# KiCad board srvant.kicad_pcb
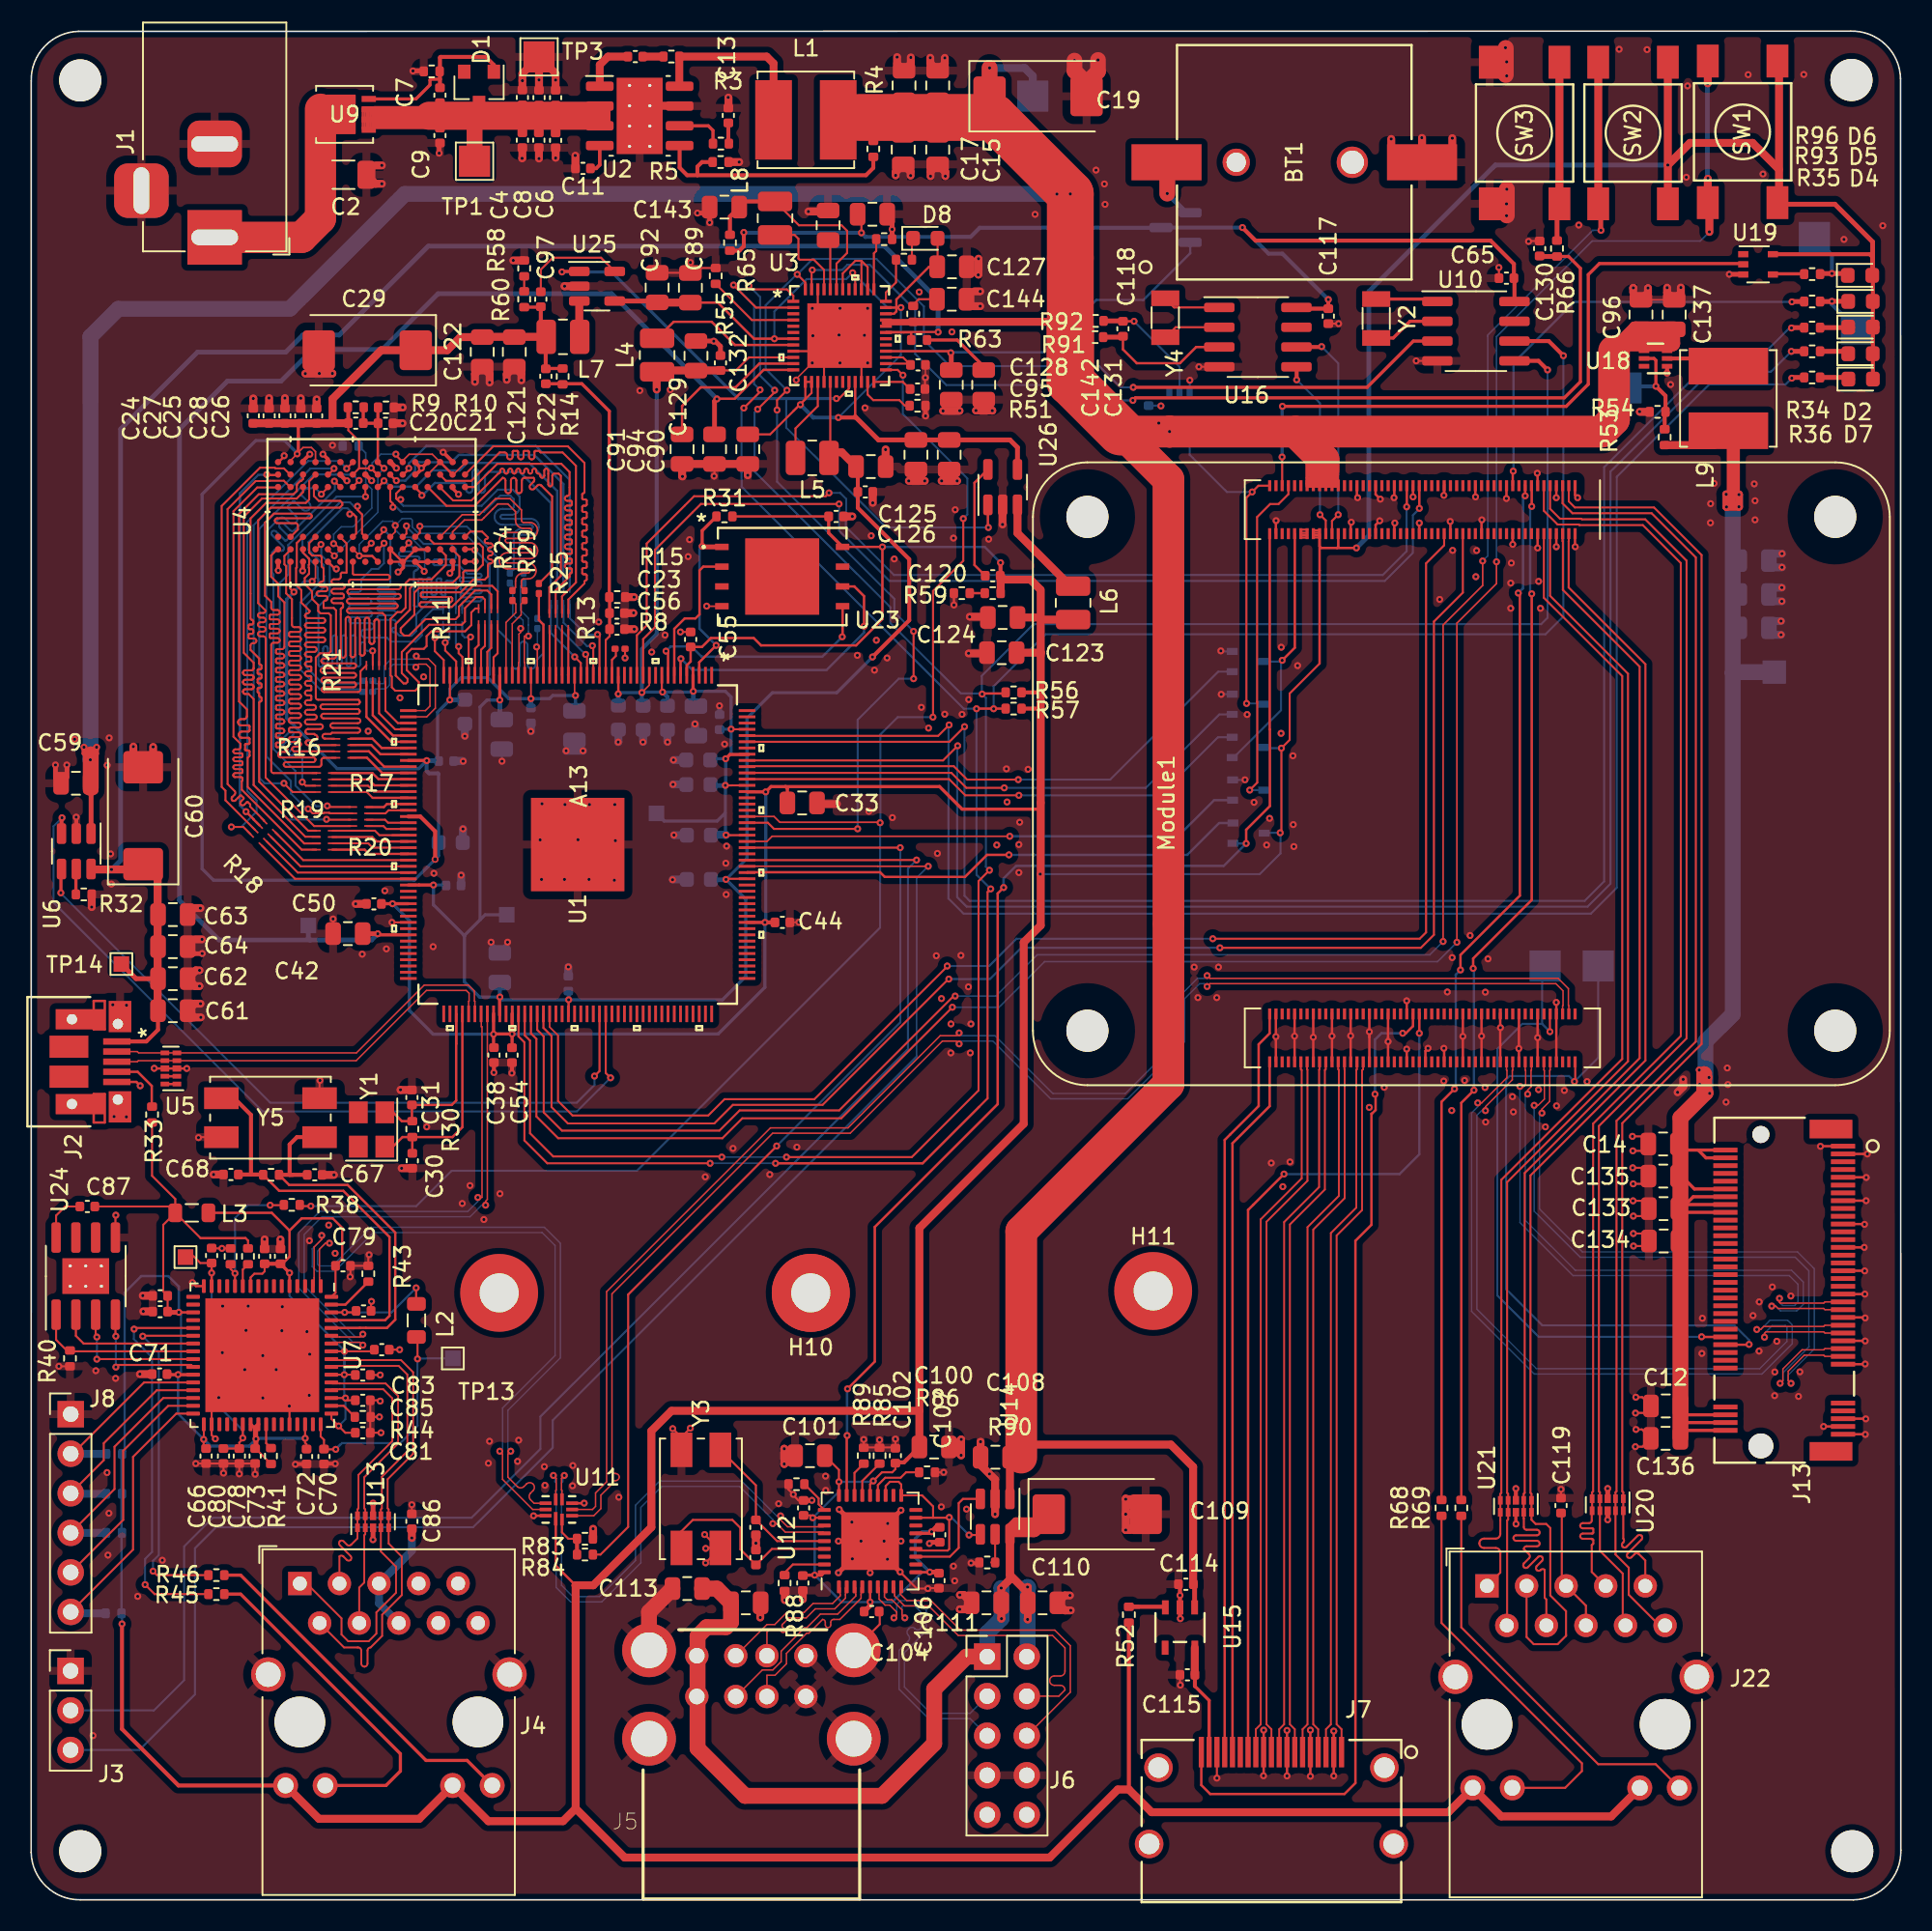
[diagram p0: board, top side]
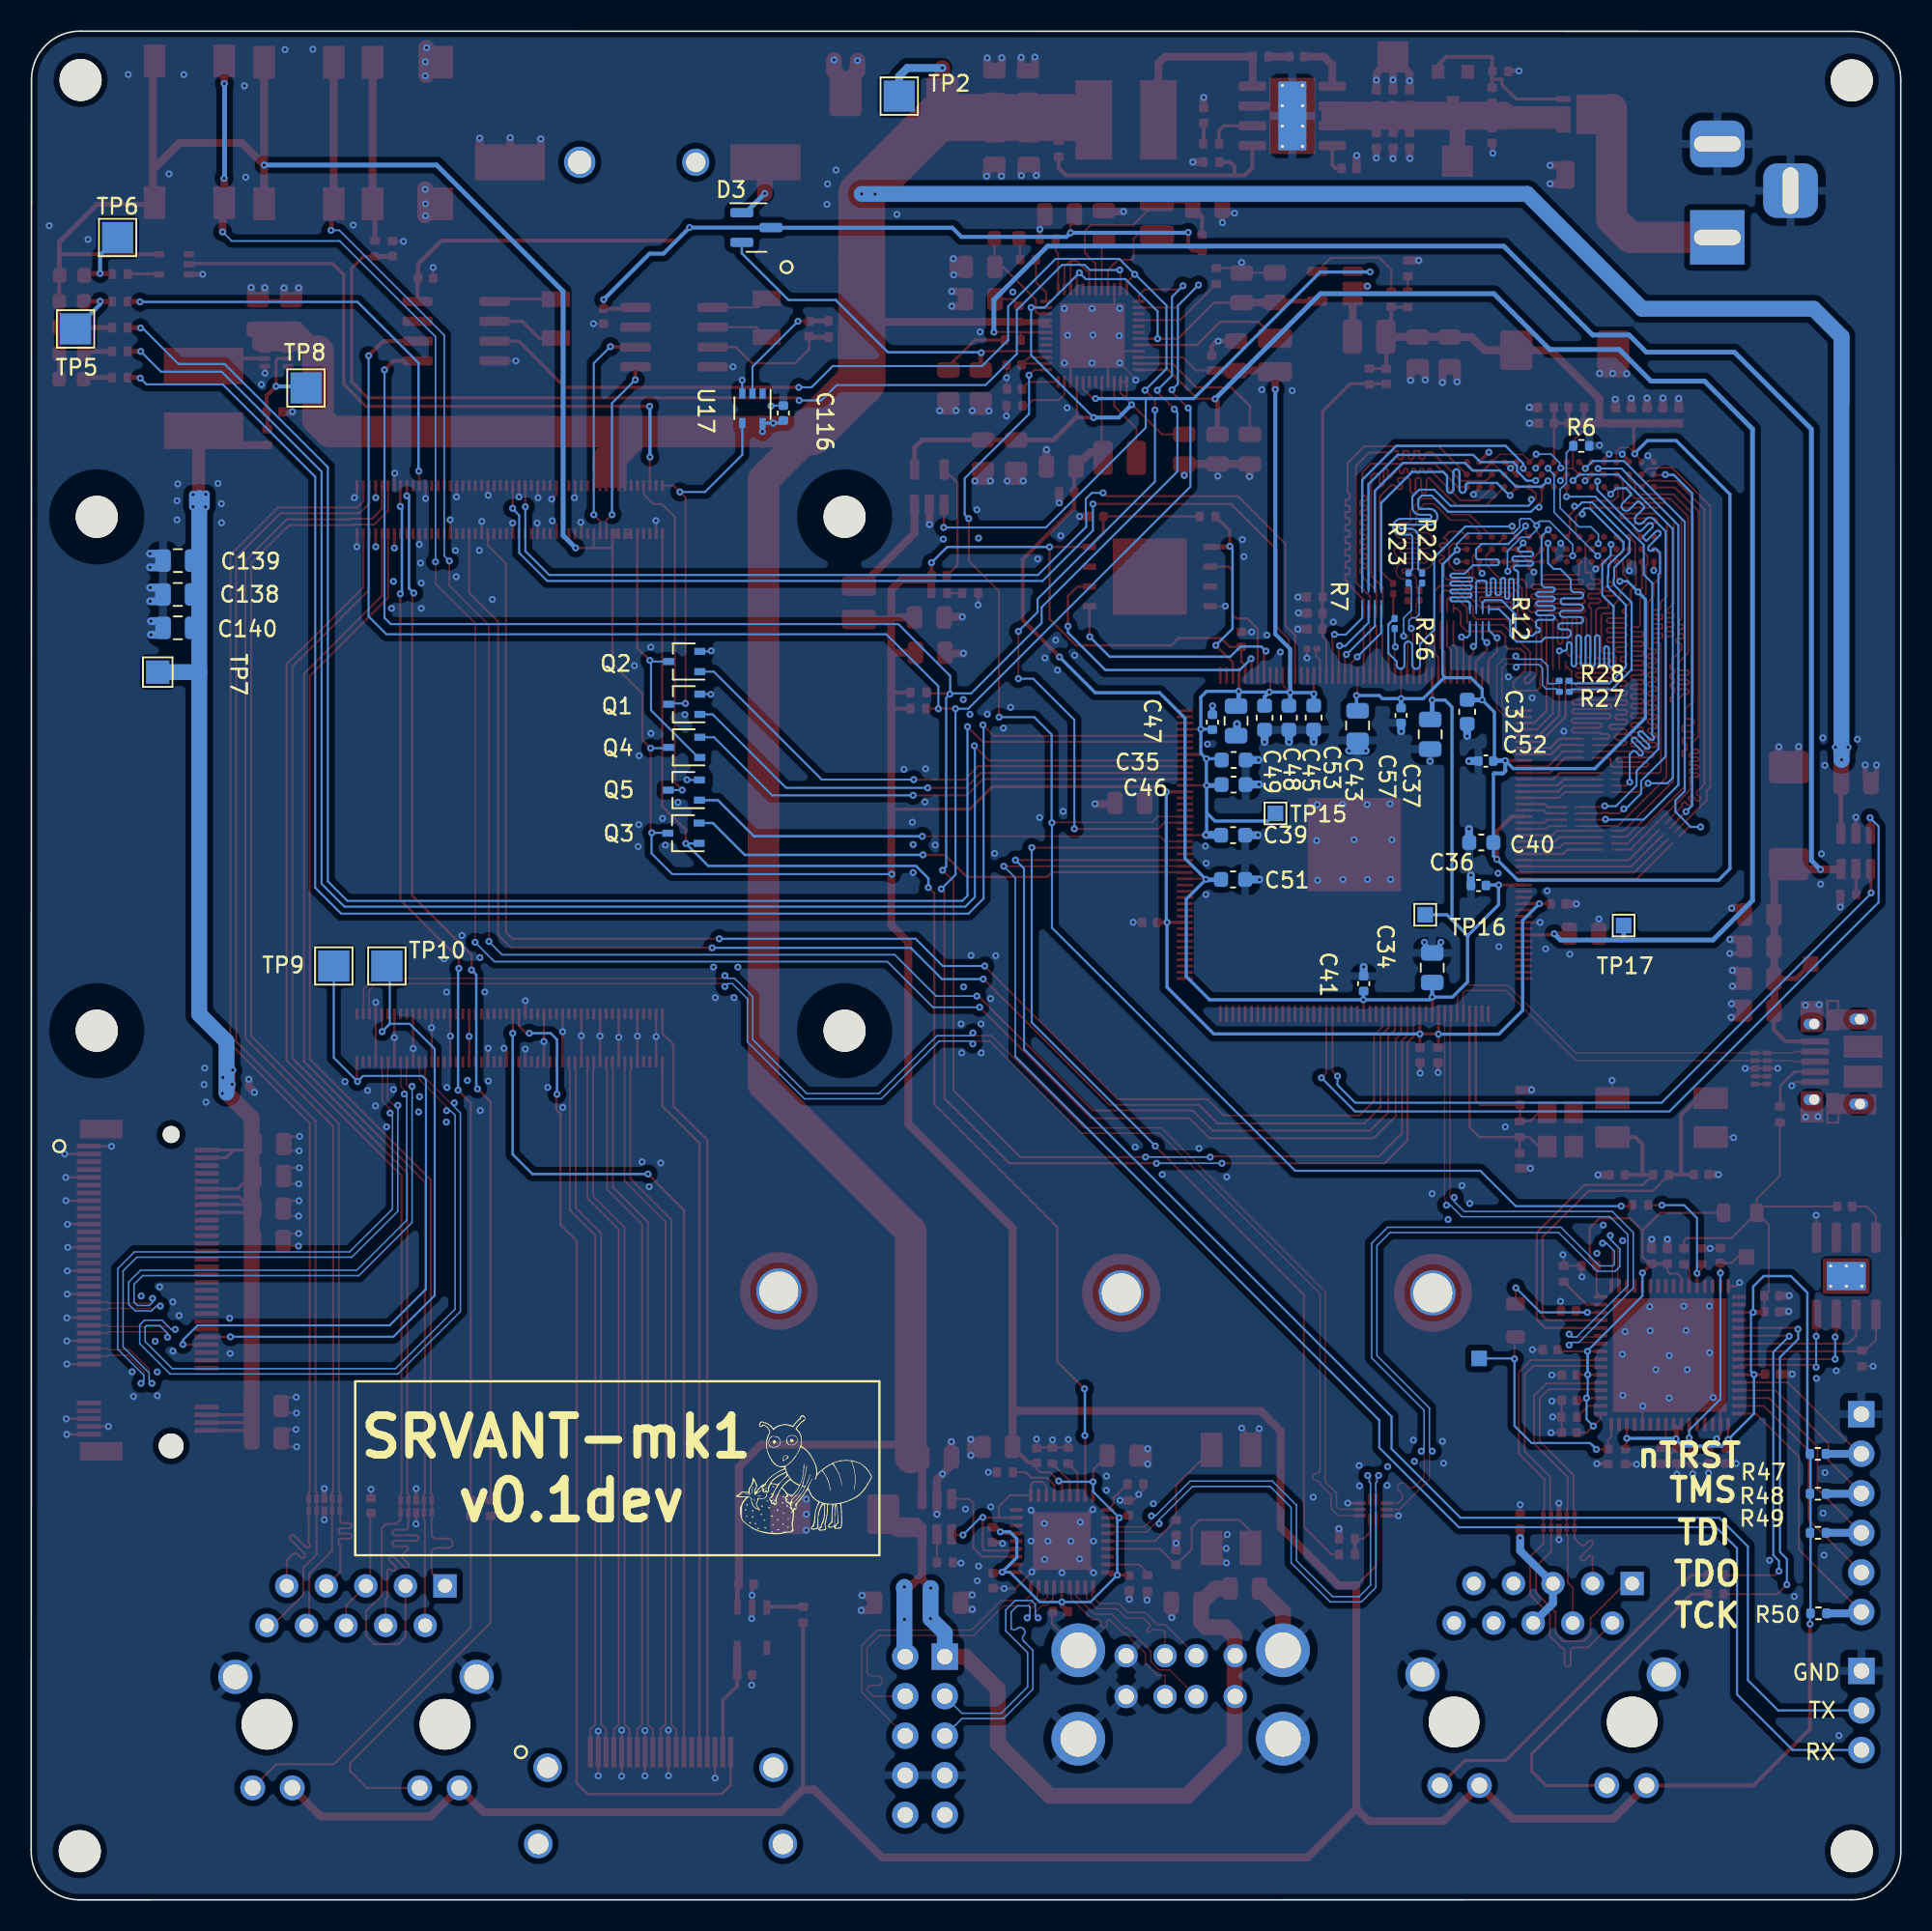
[diagram p1: board, bottom side, seen from below]

Outline 120.01 x 120 mm; copper layers: Top, In1.Cu (plane), In2.Cu (plane), Bottom. Coordinates in mm from the lower left corner of the outline.
Outline path: 0.01,116.8 0,3.04 arc(0.97,0.86) 3.19,0.01 116.97,0 arc(119.15,0.97) 120.01,3.19 119.99,116.97 arc(119.02,119.15) 116.79,120 3.04,119.99 arc(0.86,119.02) 0.01,116.8
Stack: Top 0.035mm / dielectric 0.1mm FR4 er 4.5 / In1.Cu 0.0175mm / dielectric 1.265mm FR4 er 4.5 / In2.Cu 0.0175mm / dielectric 0.1mm FR4 er 4.5 / Bottom 0.035mm

## Placement (name value [footprint] x y rotation side)
BT1  Battery_Cell  [battery-S8411-45R]  81.08 111.58 90 top
C1  10u 35v  [C_0402_1005Metric]  32.6 115.73 90 top
C2  100n 100v  [C_1206_3216Metric]  20.04 110.78 0 top
C3  10u 35v  [C_0402_1005Metric]  33.66 115.73 90 top
C4  10u 35v  [C_0402_1005Metric]  31.53 113 270 top
C5  10u 35v  [C_0402_1005Metric]  31.53 115.75 90 top
C6  10u 35v  [C_0402_1005Metric]  33.66 112.99 270 top
C7  100n  [C_0402_1005Metric]  26.24 115.89 270 top
C8  10u 35v  [C_0402_1005Metric]  32.59 113 270 top
C9  10u 35v  [C_0402_1005Metric]  26.24 113.3 270 top
C10  100n  [C_0402_1005Metric]  38.78 118.37 180 top
C11  100n  [C_0402_1005Metric]  35.42 111.19 180 top
C12  10u  [C_0805_2012Metric]  104.92 31.72 180 top
C13  1.2n  [C_0402_1005Metric]  44.75 114.59 90 top
C14  100n  [C_0805_2012Metric]  104.75 48.54 180 top
C15  10u  [C_0805_2012Metric]  58.19 112.4 270 top
C16  10u  [C_0805_2012Metric]  58.19 116.51 90 top
C17  10u  [C_0805_2012Metric]  55.98 112.4 270 top
C18  10u  [C_0805_2012Metric]  56.03 116.51 90 top
C19  100u  [CP_EIA-7343-31_Kemet-D]  64.63 115.82 0 top
C20  100n  [C_0402_1005Metric]  20.84 94.83 0 top
C21  100n  [C_0402_1005Metric]  22.75 94.82 0 top
C22  100n  [C_0402_1005Metric]  33.03 97.84 270 top
C23  100n  [C_0402_1005Metric]  37.6 82.63 0 top
C24  100n  [C_0402_1005Metric]  14.26 95.3 90 top
C25  100n  [C_0402_1005Metric]  16.29 95.3 90 top
C26  100n  [C_0402_1005Metric]  18.32 95.3 90 top
C27  100n  [C_0402_1005Metric]  15.27 95.3 90 top
C28  100n  [C_0402_1005Metric]  17.31 95.3 90 top
C29  100u  [CP_EIA-7343-31_Kemet-D]  21.57 99.51 180 top
C30  33p  [C_0402_1005Metric]  24.47 47.46 90 top
C31  33p  [C_0402_1005Metric]  24.44 51.53 270 top
C32  10u  [C_0603_1608Metric]  27.84 76.29 90 bottom
C33  22u  [C_0805_2012Metric]  49.49 70.44 180 top
C34  10u  [C_0805_2012Metric]  30.08 59.86 270 bottom
C35  10u  [C_0603_1608Metric]  42.82 73.2 0 bottom
C36  100n  [C_0402_1005Metric]  27.11 65.14 180 bottom
C37  22u  [C_0805_2012Metric]  30.21 74.85 90 bottom
C38  100n  [C_0402_1005Metric]  29.7 54.25 90 top
C39  10u  [C_0603_1608Metric]  42.86 68.37 0 bottom
C40  10u  [C_0603_1608Metric]  26.93 67.9 180 bottom
C41  100n  [C_0402_1005Metric]  34.48 58.84 270 bottom
C42  22u  [C_0805_2012Metric]  20.33 62.05 180 top
C43  22u  [C_0805_2012Metric]  34.87 75.41 90 bottom
C44  100n  [C_0402_1005Metric]  48.22 62.77 180 top
C45  10u  [C_0603_1608Metric]  39.28 75.91 90 bottom
C46  10u  [C_0603_1608Metric]  42.83 71.62 0 bottom
C47  100n  [C_0402_1005Metric]  44.19 75.63 270 bottom
C48  10u  [C_0603_1608Metric]  40.84 75.91 90 bottom
C49  22u  [C_0805_2012Metric]  42.67 75.71 90 bottom
C50  100n  [C_0402_1005Metric]  22 63.96 0 top
C51  10u  [C_0603_1608Metric]  42.86 65.53 0 bottom
C52  100n  [C_0402_1005Metric]  26.64 73.13 180 bottom
C53  10u  [C_0603_1608Metric]  37.69 75.92 90 bottom
C54  100n  [C_0402_1005Metric]  30.86 54.24 90 top
C55  100n  [C_0402_1005Metric]  42.33 80.94 270 top
C56  100n  [C_0402_1005Metric]  37.61 81.6 180 top
C57  100n  [C_0402_1005Metric]  32.08 76.06 90 bottom
C58  100n  [C_0402_1005Metric]  51.67 88.84 180 top
C59  10u  [C_0805_2012Metric]  2.87 71.7 180 top
C60  100u  [CP_EIA-7343-31_Kemet-D]  7.19 69.62 90 top
C61  10u  [C_0805_2012Metric]  9.09 57.1 0 top
C62  10u  [C_0805_2012Metric]  9.09 59.16 0 top
C63  10u  [C_0805_2012Metric]  9.09 63.27 0 top
C64  10u  [C_0805_2012Metric]  9.09 61.21 0 top
C65  100n  [C_0402_1005Metric]  94.69 104.14 0 top
C66  4.7u  [C_0402_1005Metric]  11.23 28.5 270 top
C67  33p  [C_0402_1005Metric]  18.2 46.56 180 top
C68  33p  [C_0402_1005Metric]  12.82 46.58 0 top
C69  100n  [C_0402_1005Metric]  8.28 37.77 0 top
C70  1u/6.3V  [C_0402_1005Metric]  18.8 28.47 270 top
C71  100n  [C_0402_1005Metric]  8.24 33.76 0 top
C72  100n  [C_0402_1005Metric]  17.68 28.47 90 top
C73  100n  [C_0402_1005Metric]  14.38 28.5 90 top
C74  100n/10V  [C_0402_1005Metric]  21.34 37.82 0 top
C75  100n  [C_0402_1005Metric]  8.28 38.79 0 top
C76  100n  [C_0402_1005Metric]  14.99 41.33 90 top
C77  100n  [C_0402_1005Metric]  16 41.33 90 top
C78  4.7u  [C_0402_1005Metric]  13.36 28.5 270 top
C79  100n  [C_0402_1005Metric]  20.02 40.72 0 top
C80  100n  [C_0402_1005Metric]  12.34 28.5 270 top
C81  100n  [C_0402_1005Metric]  21.29 30 0 top
C82  100n  [C_0402_1005Metric]  11.58 41.38 90 top
C83  100n  [C_0402_1005Metric]  21.29 33.71 0 top
C84  100n  [C_0402_1005Metric]  22.5 35.33 0 top
C85  100n  [C_0402_1005Metric]  21.29 32.08 0 top
C86  100n  [C_0402_1005Metric]  24.43 24.31 90 top
C87  100n  [C_0402_1005Metric]  3.61 44.53 0 top
C88  10u  [C_0805_2012Metric]  56.79 92.8 270 top
C89  10u  [C_0805_2012Metric]  42.31 103.52 270 top
C90  10u  [C_0805_2012Metric]  46 93.16 270 top
C91  10u  [C_0805_2012Metric]  41.78 93.16 270 top
C92  22u  [C_0805_2012Metric]  40.18 103.54 90 top
C93  22u  [C_0805_2012Metric]  58.93 92.8 270 top
C94  10u  [C_0805_2012Metric]  43.86 93.16 270 top
C95  1n  [C_0402_1005Metric]  56.89 97.02 0 top
C96  10u 35v  [C_0805_2012Metric]  103.33 101.8 90 top
C97  22p  [C_0402_1005Metric]  32.71 102.79 270 top
C98  27p  [C_0402_1005Metric]  46.52 21.99 90 top
C99  27p  [C_0402_1005Metric]  46.52 23.92 270 top
C100  10u  [C_0805_2012Metric]  57.96 29.08 0 top
C101  10u  [C_0805_2012Metric]  49.99 28.52 180 top
C102  100n  [C_0402_1005Metric]  55.47 28.52 90 top
C103  100n  [C_0402_1005Metric]  49.58 25.17 90 top
C104  100n  [C_0402_1005Metric]  53.95 18.52 0 top
C105  100n  [C_0402_1005Metric]  49.53 20.35 270 top
C106  100n  [C_0402_1005Metric]  58.27 20.5 270 top
C107  100n  [C_0402_1005Metric]  58.32 23.44 270 top
C108  10u  [C_0805_2012Metric]  61.89 28.42 180 top
C109  100u  [CP_EIA-7343-31_Kemet-D]  68.43 24.77 0 top
C110  10u  [C_0805_2012Metric]  64.92 19.08 0 top
C111  10u  [C_0805_2012Metric]  61.32 19.08 180 top
C112  10u  [C_0805_2012Metric]  45.87 19.08 0 top
C113  10u  [C_0805_2012Metric]  42.11 19.99 180 top
C114  100n  [C_0402_1005Metric]  74.12 20.27 180 top
C115  100n  [C_0402_1005Metric]  74.22 14.45 180 top
C116  100n  [C_0402_1005Metric]  71.73 95.48 90 bottom
C117  100n  [C_0402_1005Metric]  83.26 101.7 270 top
C118  100n  [C_0402_1005Metric]  70.08 100.89 270 top
C119  100n  [C_0402_1005Metric]  98.2 25.32 90 top
C120  22p  [C_0402_1005Metric]  61.72 85.03 0 top
C121  22u  [C_0805_2012Metric]  31.01 99.41 270 top
C122  22u  [C_0805_2012Metric]  28.95 99.41 270 top
C123  22u  [C_0805_2012Metric]  62.3 80.09 180 top
C124  22u  [C_0805_2012Metric]  62.36 82.35 180 top
C125  10u  [C_0805_2012Metric]  53.9 92.04 180 top
C126  1n  [C_0402_1005Metric]  53.54 90.42 0 top
C127  10u  [C_0805_2012Metric]  59.11 104.87 180 top
C128  1u  [C_0402_1005Metric]  56.92 98.57 0 top
C129  10u  [C_0805_2012Metric]  42.67 99.15 90 top
C130  1n  [C_0402_1005Metric]  96.82 106.05 90 top
C131  10u  [C_0805_2012Metric]  61.14 97.29 90 top
C132  1n  [C_0402_1005Metric]  44.24 98.7 270 top
C133  10u  [C_0805_2012Metric]  104.78 44.39 180 top
C134  100n  [C_0805_2012Metric]  104.79 42.31 180 top
C135  10u  [C_0805_2012Metric]  104.76 46.48 180 top
C136  100n  [C_0805_2012Metric]  104.91 29.64 180 top
C137  10u 35v  [C_0805_2012Metric]  105.46 101.8 90 top
C138  10u  [C_0805_2012Metric]  110.6 83.83 0 bottom
C139  10u  [C_0805_2012Metric]  110.59 86 0 bottom
C140  10u  [C_0805_2012Metric]  110.59 81.69 0 bottom
C141  10u  [C_0805_2012Metric]  54 108.25 180 top
C142  10u  [C_0805_2012Metric]  59.06 97.29 90 top
C143  10u  [C_0805_2012Metric]  44.5 108.7 0 top
C144  10u  [C_0805_2012Metric]  59.09 102.79 180 top
C145  10u  [C_0805_2012Metric]  51.15 107.54 270 top
D1  MMBZ5242BLT3G  [D_SOT-23_ANK]  28.75 116.4 270 top
D2  LED Green  [LED_0603_1608Metric]  117.42 99.29 0 top
D3  BAT54C-7-F  [SOT-23]  73.46 107.39 180 bottom
D4  LED Red  [LED_0603_1608Metric]  117.42 101 0 top
D5  LED Green  [LED_0603_1608Metric]  117.42 102.65 0 top
D6  LED Red  [LED_0603_1608Metric]  117.39 104.32 0 top
D7  LED Yellow  [LED_0603_1608Metric]  117.43 97.66 0 top
D8  LED  [LED_0603_1608Metric]  57.39 106.7 0 top
G***  LOGO  [logo_v1]  70.41 27.3 180 bottom
H1  MountingHole  [MountingHole_2.7mm_M2.5]  3.15 116.84 180 top
H2  MountingHole  [MountingHole_2.7mm_M2.5]  3.15 3.12 180 top
H3  MountingHole  [MountingHole_2.7mm_M2.5]  116.89 3.12 180 top
H4  MountingHole  [MountingHole_2.7mm_M2.5]  116.84 116.87 180 top
H9  MountingHole  [MountingHole_2.5mm_Pad_TopOnly]  30.04 38.98 180 top
H10  MountingHole  [MountingHole_2.5mm_Pad_TopOnly#2]  50.04 38.98 180 top
H11  MountingHole  [MountingHole_2.5mm_Pad_TopOnly]  72.02 39.1 0 top
J1  Barrel_Jack  [BarrelJack_Horizontal]  11.78 106.76 270 top
J2  USB_OTG  [10103594-0001LF]  2.69 53.82 270 top
J3  Conn_01x03  [PinHeader_1x03_P2.54mm_Vertical]  2.53 14.71 0 top
J4  ARJM11  [RJ45_Wuerth_7499111446_Horizontal]  17.25 20.32 0 top
J5  690-008-221-904  [MOLEX_USB_67298-4090]  46.23 10.35 0 top
J6  Conn_02x05_Odd_Even  [PinHeader_2x05_P2.54mm_Vertical]  61.37 15.62 0 top
J7  690-019-298-412  [10029449-001RLF]  79.61 5.06 0 top
J8  Conn_1x06  [PinHeader_1x06_P2.54mm_Vertical]  2.54 31.19 0 top
J13  Bus_M.2_Socket_M  [1-2199230-5]  108.75 29.9 270 top
J22  ARJM11  [RJ45_Wuerth_7499111446_Horizontal]  93.45 20.16 0 top
L1  SRN6045TA-3R3Y  [L_Bourns_SRN6045TA]  49.73 114.31 0 top
L2  FB0805/600R/2A  [L_0805_2012Metric]  24.73 37.21 90 top
L3  FB0805/600R/2A  [L_0805_2012Metric]  10.31 44.12 0 top
L4  2.2uH/1.5A  [L_1008_2520Metric]  40.18 99.2 90 top
L5  2.2uH/1.5A  [L_1008_2520Metric]  50.14 92.6 180 top
L6  2.2uH/1.5A  [L_1008_2520Metric]  66.88 83.29 270 top
L7  2.2uH/1.5A  [L_1008_2520Metric]  34.14 100.37 180 top
L8  2.2uH/1.5A  [L_1008_2520Metric]  47.75 107.99 90 top
L9  SRN6045TA-3R3Y  [L_Bourns_SRN6045TA]  108.94 96.42 270 top
Module1  ComputeModule4  [Raspberry-Pi-4-Compute-Module]  67.8 88.81 270 top
Q1  BC847W  [SOT-323_SC-70]  78.09 76.78 0 bottom
Q2  BC847W  [SOT-323_SC-70]  78.09 79.52 0 bottom
Q3  BC847W  [SOT-323_SC-70]  78.14 68.5 0 bottom
Q4  BC847W  [SOT-323_SC-70]  78.09 74.01 0 bottom
Q5  BC847W  [SOT-323_SC-70]  78.12 71.27 0 bottom
R1  12K/1%  [R_0402_1005Metric]  25.71 117.42 180 top
R2  10R  [R_0402_1005Metric]  41.09 118.37 180 top
R3  20K/1%  [R_0402_1005Metric]  44.27 112.78 0 top
R4  12K/1%  [R_0402_1005Metric]  54.06 112.44 270 top
R5  2.2K/1%  [R_0402_1005Metric]  44.25 111.6 0 top
R6  330R/1%  [R_0402_1005Metric]  20.51 93.37 180 bottom
R7  EXB-18V103JX  [resistor_array-EXB-18V103JX]  33.97 83.71 270 bottom
R8  22R  [R_0201_0603Metric]  37.8 80.34 180 top
R9  2K/1%  [R_0402_1005Metric]  20.84 95.85 0 top
R10  2K/1%  [R_0402_1005Metric]  22.78 95.84 0 top
R11  EXB-18V103JX  [resistor_array-EXB-18V103JX]  29.33 82.4 90 top
R12  EXB-18V103JX  [resistor_array-EXB-18V103JX]  27.05 82.35 90 bottom
R13  EXB-18V103JX  [resistor_array-EXB-18V103JX]  33.87 82.1 90 top
R14  2K/1%  [R_0402_1005Metric]  34.11 97.83 270 top
R15  2K/1%  [R_0402_1005Metric]  37.62 83.66 0 top
R16  EXB-18V103JX  [resistor_array-EXB-18V103JX]  20.07 73.95 180 top
R17  EXB-18V103JX  [resistor_array-EXB-18V103JX]  18.83 71.75 180 top
R18  EXB-18V103JX  [resistor_array-EXB-18V103JX]  14.88 68.49 135 top
R19  EXB-18V103JX  [resistor_array-EXB-18V103JX]  21.15 69.57 180 top
R20  EXB-18V103JX  [resistor_array-EXB-18V103JX]  18.82 68.05 180 top
R21  EXB-18V103JX  [resistor_array-EXB-18V103JX]  22.13 78.75 90 top
R22  22R  [R_0201_0603Metric]  30.73 84.88 90 bottom
R23  22R  [R_0201_0603Metric]  31.6 84.88 90 bottom
R24  22R  [R_0201_0603Metric]  30.89 83.76 90 top
R25  22R  [R_0201_0603Metric]  32.59 84.21 90 top
R26  22R  [R_0201_0603Metric]  32.49 81.96 90 bottom
R27  22R  [R_0201_0603Metric]  21.6 77.58 180 bottom
R28  22R  [R_0201_0603Metric]  21.61 78.28 180 bottom
R29  22R  [R_0201_0603Metric]  31.67 83.76 90 top
R30  12K/1%  [R_0402_1005Metric]  24.47 49.5 270 top
R31  4.7K  [R_0402_1005Metric]  44.5 88.84 0 top
R32  15K/1%  [R_0402_1005Metric]  3.38 64.57 0 top
R33  47K  [R_0402_1005Metric]  7.76 50.43 90 top
R34  1K  [R_0402_1005Metric]  114.32 99.44 180 top
R35  1K  [R_0402_1005Metric]  114.32 100.97 180 top
R36  1K  [R_0402_1005Metric]  114.32 97.76 180 top
R37  12K/1%  [R_0402_1005Metric]  15.4 46.56 0 top
R38  0R  [R_0402_1005Metric]  16.73 44.63 0 top
R39  10K  [R_0402_1005Metric]  12.8 41.33 90 top
R40  10K  [R_0402_1005Metric]  2.49 34.77 90 top
R41  10K  [R_0402_1005Metric]  15.39 28.5 90 top
R42  10K  [R_0402_1005Metric]  13.92 41.33 270 top
R43  12K/1%  [R_0402_1005Metric]  21.64 40.21 270 top
R44  12.4K/1%  [R_0402_1005Metric]  21.29 31.01 180 top
R45  470R  [R_0402_1005Metric]  11.89 19.63 180 top
R46  470R  [R_0402_1005Metric]  11.89 20.85 180 top
R47  10K  [R_0402_1005Metric]  5.33 28.64 0 bottom
R48  10K  [R_0402_1005Metric]  5.32 26.08 0 bottom
R49  10K  [R_0402_1005Metric]  5.32 23.57 0 bottom
R50  10K  [R_0402_1005Metric]  5.29 18.4 0 bottom
R51  200K/1%  [R_0402_1005Metric]  56.89 95.95 180 top
R52  100K/1%  [R_0402_1005Metric]  70.46 18.31 90 top
R53  100K 1%  [R_0402_1005Metric]  104.85 93.93 90 top
R54  22K 1%  [R_0402_1005Metric]  104.39 95.55 180 top
R55  2.2K  [R_0402_1005Metric]  43.94 104.28 270 top
R56  2.2K  [R_0402_1005Metric]  63.06 77.54 180 top
R57  2.2K  [R_0402_1005Metric]  63.06 76.5 0 top
R58  3.32K/1%  [R_0402_1005Metric]  31.65 104.77 90 top
R59  1.1K/1%  [R_0402_1005Metric]  59.74 83.91 180 top
R60  4.99K/1%  [R_0402_1005Metric]  31.65 102.79 270 top
R61  4.99K/1%  [R_0402_1005Metric]  61.72 83.91 0 top
R62  240R  [R_0402_1005Metric]  54.75 106.65 0 top
R63  1R  [R_0402_1005Metric]  57 100.17 0 top
R64  2.2K  [R_0402_1005Metric]  56.02 105.33 0 top
R65  0.03R  [R_0402_1005Metric]  44.85 106.42 270 top
R66  2.2K  [R_0402_1005Metric]  97.94 106.05 90 top
R67  1R  [R_0402_1005Metric]  56.62 101.85 90 top
R68  470R  [R_0402_1005Metric]  90.53 25.17 90 top
R69  470R  [R_0402_1005Metric]  91.8 25.17 90 top
R83  2.2K/1%  [R_0402_1005Metric]  35.55 23.19 0 top
R84  2.2K/1%  [R_0402_1005Metric]  35.55 22.17 180 top
R85  36K/1%  [R_0402_1005Metric]  54.46 28.52 90 top
R86  36K/1%  [R_0402_1005Metric]  57.51 27.46 0 top
R87  36K/1%  [R_0402_1005Metric]  49.12 26.7 180 top
R88  12K/1%  [R_0402_1005Metric]  48.36 20.35 90 top
R89  36K/1%  [R_0402_1005Metric]  53.44 28.52 90 top
R90  15K/1%  [R_0402_1005Metric]  61.37 21.67 180 top
R91  510K/1%  [R_0402_1005Metric]  68.3 100.36 180 top
R92  510K/1%  [R_0402_1005Metric]  68.33 101.4 180 top
R93  1K  [R_0402_1005Metric]  114.32 102.64 180 top
R96  1K  [R_0402_1005Metric]  114.32 104.4 180 top
SW1  SW_MEC_5E  [button-1571563-4]  109.86 113.54 90 top
SW2  SW_MEC_5E  [button-1571563-4]  102.82 113.46 90 top
SW3  PWR_BUT  [button-1571563-4]  95.86 113.46 270 top
TP1  TestPoint  [TestPoint_Pad_2.0x2.0mm]  28.46 111.65 0 top
TP2  TestPoint  [TestPoint_Pad_2.0x2.0mm]  64.29 115.83 180 bottom
TP3  TestPoint  [TestPoint_Pad_2.0x2.0mm]  32.6 118.35 0 top
TP5  TestPoint  [TestPoint_Pad_2.0x2.0mm]  117.16 100.88 180 bottom
TP6  TestPoint  [TestPoint_Pad_2.0x2.0mm]  114.46 106.75 180 bottom
TP7  TestPoint  [TestPoint_Pad_1.5x1.5mm]  111.89 78.84 270 bottom
TP8  TestPoint  [TestPoint_Pad_2.0x2.0mm]  102.37 97.09 180 bottom
TP9  TestPoint  [TestPoint_Pad_2.0x2.0mm]  100.58 59.97 180 bottom
TP10  TestPoint  [TestPoint_Pad_2.0x2.0mm]  97.18 59.97 180 bottom
TP12  TestPoint  [TestPoint_Pad_1.0x1.0mm]  9.91 41.28 0 top
TP13  TestPoint  [TestPoint_Pad_1.0x1.0mm#2]  27.07 34.77 0 top
TP14  TestPoint  [TestPoint_Pad_1.0x1.0mm]  5.79 60.1 0 top
TP15  TestPoint  [TestPoint_Pad_1.0x1.0mm]  40.14 69.77 180 bottom
TP16  TestPoint  [TestPoint_Pad_1.0x1.0mm]  30.53 63.26 180 bottom
TP17  TestPoint  [TestPoint_Pad_1.0x1.0mm]  17.79 62.57 180 bottom
U1  -  [A13]  35.08 67.77 270 top
U2  AP64501SP-13  [SOIC-8-1EP_3.9x4.9mm_P1.27mm_EP2.95x4.9mm_Mask2.71x3.4mm_ThermalVias]  39.06 114.56 0 top
U3  -  [AXP209]  51.89 100.45 0 top
U4  -  [IS43TR16128C-125KBLI]  21.85 89.13 270 top
U5  TPD4EUSB30  [USON-10_2.5x1.0mm_P0.5mm]  8.97 53.39 180 top
U6  AP22653W6  [SOT-23-6]  2.9 67.34 270 top
U7  LAN9512  [QFN-64-1EP_9x9mm_P0.5mm_EP7.3x7.3mm]  14.83 34.98 270 top
U9  BSZ040N04LSGATMA1  [bsz086p03ns]  20.12 114.66 180 top
U10  PCF85063AT/AAZ  [SOIC-8_3.9x4.9mm_P1.27mm]  92.74 100.74 0 top
U11  FSUSB42MUX  [FSUSB42UMX]  33.87 25.07 180 top
U12  USB2514B-I/M2  [QFN-36-1EP_6x6mm_P0.5mm_EP3.7x3.7mm]  53.85 23.04 90 top
U13  TPD4EUSB30  [USON-10_2.5x1.0mm_P0.5mm]  21.95 24.28 90 top
U14  AP22653W6  [SOT-23-6]  61.87 24.61 270 top